# Altium PCB egse_pcb.PcbDoc (part 3 of 3)
Units mm, origin at the board's own origin, x right, y up, seen from the top; angles counter-clockwise.
Board outline 120 x 120 mm, 6 copper layers (Top Layer, GND-1, INT-SIG-1, INT-SIG-2, GND-2, Bottom Layer), stack 1.535 mm thick; 278 components, 151 nets, 1110 pads, 1015 vias.
Unrouted connection lines stored in the file: 164.
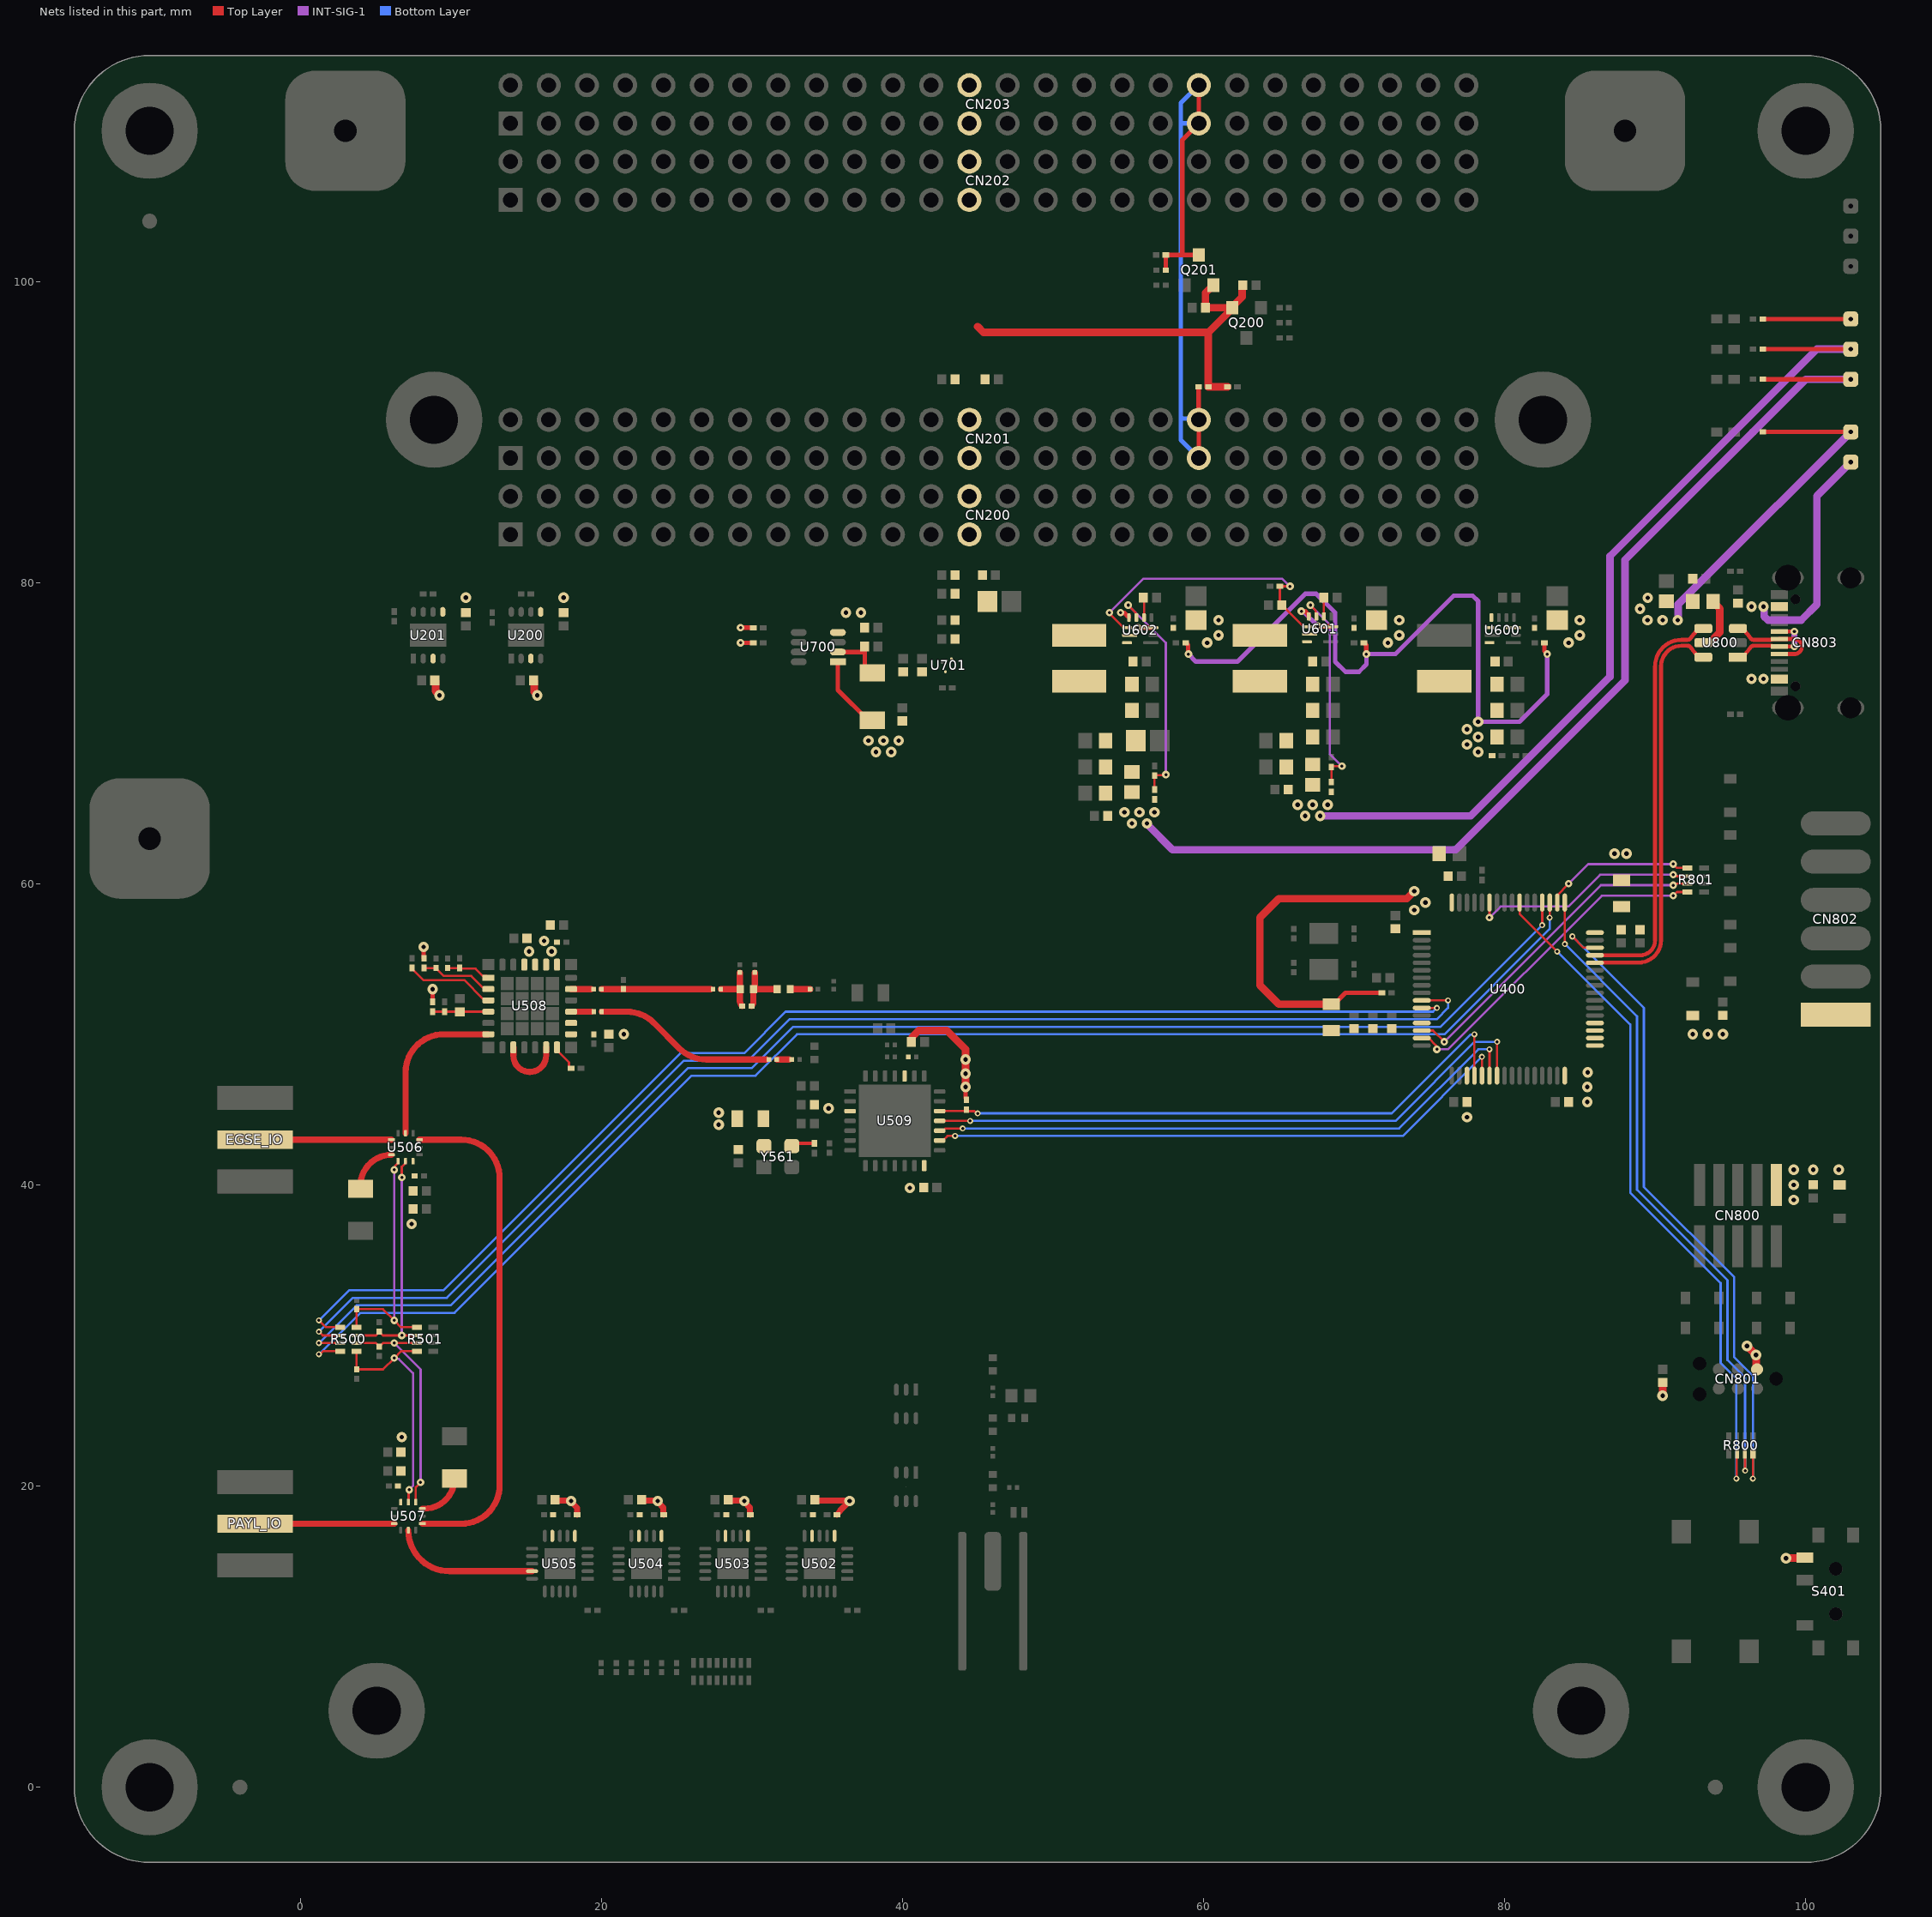
[diagram p7: the nets of this part, all layers, seen from the top]

## Via types
v1: diameter 0.6/0.7/0.7/0.6 (per signal layer), hole 0.3, Top Layer to Bottom Layer, 618 vias
v2: diameter 0.4/0.5/0.5/0.4 (per signal layer), hole 0.2, Top Layer to Bottom Layer, 332 vias
v3: diameter 0.65, hole 0.3, Top Layer to Bottom Layer, 49 vias
v4: diameter 0.7, hole 0.3, Top Layer to Bottom Layer, 16 vias

## Nets (pads, with @x,y where several pads share a name; then routed paths per layer and width w, separated by ;. In a path a pad name is that pad's centre, name@x,y a point inside that pad or via, vN(x,y) a via of type N, cw(c..) or ccw(c..) an arc to the next point about the centre after c; other vN are vias at no path point) (continued)
RBF_5V: C215.2 CN201.37 CN201.38 CN203.37 CN203.38 Q201.3 R202.1 R207.1 | length 47.9
  Top Layer w0.3: C215.2@57.5,100.75 R207.1@57.5,101.75 58.6,101.75 ; R202.1@59.675,93 59.682,92.992 59.682,90.818 CN201.38@59.69,90.81 CN201.37@59.69,88.27 ; CN203.38@59.69,113.03 CN203.37@59.69,110.49 58.6,109.4 58.6,101.75 ; Q201.3@59.71,101.76 Q201.3@59.7,101.75 58.6,101.75
  Bottom Layer w0.3: CN201.37@59.69,88.27 58.5,89.46 58.5,91 ; CN201.38@59.69,90.81 59.616,90.884 58.616,90.884 58.5,91 ; CN203.37@59.69,110.49 58.5,110.49 ; CN203.38@59.69,113.03 58.5,111.84 58.5,110.49 ; 58.5,91 58.5,110.49
RF3V3.FB_11: R605.1 R606.2 U601.9 | length 14.2
  Top Layer w0.15: v2(67.1,78.5) 67.45,78.15 67.45,77.8 U601.9@67.5,77.75 ; R605.1@68.5,66.75 68.5,67.2 R606.2@68.5,67.75 68.55,67.8 v2(69.2,67.8)
  INT-SIG-1 w0.15: v2(67.1,78.5) 68.4,77.2 68.4,68.6 v2(69.2,67.8)
RF3V3.SS_11: C619.2 U601.8 | length 1.3
  Top Layer w0.15: U601.8@68,77.75 C619.2@68,79
RF3V3.SW_11: L601.1 U601.2
RF3V3.VO_11: C612.2 C613.2 C614.2 C615.2 FB600.1 L601.2 U601.3
RF3V9.FB_11: R612.1 R613.2 U602.9 | length 15
  Top Layer w0.15: v2(55,78.5) 55.375,78.125 55.5,78 55.5,77.725 U602.9@55.55,77.675 ; R612.1@56.75,66.25 R613.2@56.75,67.175 56.788,67.212 57.462,67.212 v2(57.5,67.25)
  INT-SIG-1 w0.15: v2(55,78.5) 57.5,76 v2(57.5,67.25)
RF3V9.SS_11: C628.2 U602.8 | length 1.3
  Top Layer w0.15: C628.2@56,79 56.05,78.95 U602.8@56.05,77.675
RF3V9.SW_11: L602.1 U602.2
RF3V9.VO_11: C620.2 C621.2 C622.2 C623.2 FB601.1 L602.2 U602.3
RF_ENABLE_11: C611.2 R603.1 U601.1 U602.1 | length 19
  Top Layer w0.15: v2(53.75,78) 53.75,77.95 54.7,77 U602.1@54.925,77 ; v2(65.75,79.75) R603.1@65.075,79.75 65.075,78.615 C611.2@65.19,78.5 65.19,78.48 65.415,78.255 65.47,78.255 66.65,77.075 U601.1@66.875,77.075
  INT-SIG-1 w0.15: v2(53.75,78) 56,80.25 65.237,80.25 65.737,79.75 v2(65.75,79.75)
RF_IO: U506.11 U508.7 | length 11
  Top Layer w0.408: U506.11@7,43.43 7,47.46 cw(c9.54,47.46) 9.54,50 U508.7@12.5,50
RF_IO_ATT: U505.14 U507.11 | length 9.8
  Top Layer w0.408: U507.11@7.18,17.07 ccw(c9.905,17.07) 9.905,14.345 U505.14@15.405,14.345
RF_RXIN: C532.1 C550.1 | length 12.1
  Top Layer w0.408: C532.1@20.02,51.5 21.698,51.5 cw(c21.698,48.96) 23.494,50.756 25.181,49.069 ccw(c26.977,50.865) 26.977,48.325 C550.1@30.99,48.325
RF_TXIN: C531.1 C543.2 C547.2 | length 7.3
  Top Layer w0.408: C531.1@20.01,53 C547.2@21.47,53 C543.2@27.27,53
RFI1_10: C549.1 C550.2 | length 0.8
  Top Layer w0.408: C550.2@31.66,48.325 C549.1@32.5,48.325
RFO1_10: C542.2 L505.1 | length 1.3
  Top Layer w0.408: L505.1@32.55,53 C542.2@33.87,53
RFO2_10: C545.2 L504.1 L505.2 L506.1 | length 3.8
  Top Layer w0.408: L504.1@29.987,51.874 ccw(c29.689,52.171) 30.11,52.171 L506.1@30.11,53 ; C545.2@30.2,54.1 30.2,53.217 cw(c29.893,53.217) L506.1@30.11,53 ; L505.2@31.67,53 L506.1@30.11,53
RFO3_10: C543.1 C546.2 L504.2 L506.2 | length 3.5
  Top Layer w0.408: C543.1@27.94,53 L506.2@29.2,53 ; C546.2@29.2,54.1 L506.2@29.2,53 ; L504.2@29.367,51.874 cw(c29.77,52.277) 29.2,52.277 L506.2@29.2,53
RFSW.BYP_9: R515.2 U508.4 | length 6
  Top Layer w0.15: R515.2@7.425,54.4 7.425,54.355 8.18,53.6 10.9,53.6 12.14,52.36 12.39,52.36 U508.4@12.5,52.25
RFSW.EN_9: C530.2 R514.1 U508.3 | length 4.9
  Top Layer w0.15: R514.1@8.225,54.4 C530.2@9.025,54.4 9.025,54.375 9.525,53.875 11.375,53.875 12.14,53.11 12.39,53.11 U508.3@12.5,53
RFSW.RBIAS_9: R517.2 U508.14 | length 1.8
  Top Layer w0.15: U508.14@17.062,49.125 17.062,48.925 17.855,48.132 17.855,47.85 17.955,47.75 R517.2@18,47.75
RFSW.RX12_9: U508.10 U508.13 | length 4.5
  Top Layer w0.408: U508.10@14.162,49.125 14.162,48.588 ccw(c15.25,48.588) 15.25,47.5 ccw(c15.25,48.587) 16.337,48.587 U508.13@16.337,49.125
RFSW.RXOUT_9: C532.2 U508.18 | length 1.4
  Top Layer w0.408: U508.18@17.999,51.5 C532.2@19.35,51.5
RFSW.TR_9: C529.2 R513.1 U508.2 | length 3
  Top Layer w0.15: C529.2@9.8,54.4 R513.1@10.6,54.4 10.645,54.355 11.645,54.355 12.125,53.875 12.375,53.875 U508.2@12.5,53.75
RFSW.TXIN_9: C531.2 U508.20 | length 1.3
  Top Layer w0.408: U508.20@17.999,53 C531.2@19.34,53
RFSW.VPC_9: C533.2 R516.1 R518.2 U508.5 | length 3.7
  Top Layer w0.15: R516.1@8.8,51.5 9.8,51.5 C533.2@10.6,51.5 U508.5@12.5,51.5
SPI1.CSN: C548.2 U400.20 U509.19 | length 40.6
  Top Layer w0.15: U509.19@42.475,44.9 C548.2@44.305,44.9 ; C548.2@44.25,45 44.357,44.893 44.789,44.893 44.932,44.75 v2(45,44.75) ; U400.20@78,47.25 v2(78,50)
  Bottom Layer w0.15: v2(45,44.75) 72.5,44.75 77.724,49.974 77.974,49.974 v2(78,50)
SPI1.MISO: U400.22 U509.17 | length 40.5
  Top Layer w0.15: U509.17@42.475,43.6 42.7,43.6 42.85,43.75 v2(44,43.75) ; U400.22@79,47.25 v2(79,49)
  Bottom Layer w0.15: v2(44,43.75) 73,43.75 78.25,49 v2(79,49)
SPI1.MOSI: U400.23 U509.18 | length 41.4
  Top Layer w0.15: U509.18@42.475,44.25 v2(44.5,44.25) ; U400.23@79.5,47.25 v2(79.5,49.5)
  Bottom Layer w0.15: v2(44.5,44.25) 72.75,44.25 78,49.5 v2(79.5,49.5)
SPI1.SCK: U400.21 U509.16 | length 39.6
  Top Layer w0.15: U509.16@42.475,42.95 42.7,42.95 43,43.25 v2(43.5,43.25) ; U400.21@78.5,47.25 v2(78.5,48.5)
  Bottom Layer w0.15: v2(43.5,43.25) 73.25,43.25 v2(78.5,48.5)
SPI2.CSN: U400.33
SPI2.MISO: U400.35
SPI2.MOSI: U400.36
SPI2.SCK: U400.34
SW1.INOUT_8: U506.9 U507.1 | length 33.8
  Top Layer w0.408: U506.9@7.93,43 10.71,43 cw(c10.71,40.46) 13.25,40.46 13.25,20.04 cw(c10.71,20.04) 10.71,17.5 U507.1@8.11,17.5
SW1.LOAD_8: R511.2 U506.3 | length 3.4
  Top Layer w0.408: R511.2@4,39.75 4,39.93 cw(c6.07,39.93) U506.3@6.07,42
SW1.SMA_8: EGSE_IO.1 U506.1 | length 9.1
  Top Layer w0.408: EGSE_IO.1@-3,43 U506.1@6.07,43
SW1_CTRL.V1: R500.1 U400.11 | length 85.4
  Top Layer w0.15: v2(1.25,31) 1.7,30.55 R500.1@2.65,30.55 ; U400.11@74.5,51.75 v2(75.5,51.75)
  Bottom Layer w0.15: v2(1.25,31) 3.25,33 9.5,33 25.25,48.75 29.5,48.75 32.25,51.5 75.25,51.5 v2(75.5,51.75)
SW1_CTRL.V2: R500.2 U400.10 | length 87.7
  Top Layer w0.15: v2(1.25,30.25) 1.5,30 R500.2@2.65,30 ; U400.10@74.5,52.25 v2(76.25,52.25)
  Bottom Layer w0.15: v2(1.25,30.25) 3.5,32.5 9.75,32.5 25.5,48.25 29.75,48.25 32.5,51 75.5,51 76.25,51.75 v2(76.25,52.25)
SW1_CTRL_F.V1_6: C503.2 R500.8 R501.1 U506.4 | length 16.4
  Top Layer w0.15: R500.8@3.75,30.55 C503.2@3.75,31.75 5.5,31.75 v2(6.25,31) ; v2@6.25,30.991 6.691,30.55 R501.1@7.75,30.55 ; v2(6.25,41) 6.298,41.048 6.298,41.248 6.5,41.45 U506.4@6.5,41.57
  INT-SIG-1 w0.15: v2(6.25,31) v2(6.25,41)
SW1_CTRL_F.V2_6: C502.2 R500.7 R501.2 U506.5 | length 15.9
  Top Layer w0.15: R500.7@3.75,30 5.025,30 C502.2@5.25,30.225 ; C502.2@5.25,30.25 C502.2@5.25,30.225 ; v2(6.75,40.5) 6.75,41.2 7,41.45 U506.5@7,41.57 ; R501.2@7.75,30 5.5,30 5.375,30.125 5.35,30.125 C502.2@5.25,30.225
  INT-SIG-1 w0.15: v2(6.75,30) v2(6.75,40.5)
SW2.LOAD_8: R512.2 U507.3 | length 3.3
  Top Layer w0.408: U507.3@8.11,18.5 8.25,18.5 ccw(c8.25,20.5) R512.2@10.25,20.5
SW2.SMA_8: PAYL_IO.1 U507.9 | length 9.2
  Top Layer w0.408: PAYL_IO.1@-3,17.5 U507.9@6.25,17.5
SW2_CTRL.V1: R500.3 U400.52 | length 95.6
  Top Layer w0.15: v2(1.25,29.5) R500.3@2.65,29.5 ; v2(82.5,57.25) U400.52@82.5,58.75
  Bottom Layer w0.15: v2(1.25,29.5) 3.75,32 10,32 25.75,47.75 30,47.75 32.75,50.5 75.75,50.5 v2(82.5,57.25)
SW2_CTRL.V2: R500.4 U400.51 | length 96.7
  Top Layer w0.15: v2(1.25,28.75) 1.318,28.75 1.518,28.95 R500.4@2.65,28.95 ; v2(83,57.75) U400.51@83,58.75
  Bottom Layer w0.15: v2(1.25,28.75) 4,31.5 10.25,31.5 26,47.25 30.25,47.25 33,50 76,50 83,57 v2(83,57.75)
SW2_CTRL_F.V1_6: C501.2 R500.6 R501.3 U507.4 | length 15.6
  Top Layer w0.15: R500.6@3.75,29.5 5.025,29.5 C501.2@5.25,29.275 ; C501.2@5.25,29.25 C501.2@5.25,29.275 ; U507.4@7.68,18.93 7.68,19.93 v2(8,20.25) ; R501.3@7.75,29.5 v2(6.25,29.5) 5.5,29.5 5.375,29.375 5.35,29.375 C501.2@5.25,29.275
  INT-SIG-1 w0.15: v2(6.25,29.5) 8,27.75 v2(8,20.25)
SW2_CTRL_F.V2_6: C500.2 R500.5 R501.4 U507.5 | length 16.1
  Top Layer w0.15: R500.5@3.75,28.95 C500.2@3.75,27.75 5.5,27.75 v2(6.25,28.5) 6.7,28.95 R501.4@7.75,28.95 ; U507.5@7.18,18.93 7.205,18.955 7.205,19.705 v2(7.25,19.75)
  INT-SIG-1 w0.15: v2(6.25,28.5) 6.311,28.439 6.561,28.439 7.5,27.5 7.5,20.013 7.25,19.763 v2(7.25,19.75)
SWD.SWCLK: R800.7 U400.49 | length 43.8
  Top Layer w0.15: v2(84,56) 84,56.44 U400.49@84,58.742 ; R800.7@95.95,22.15 95.975,22.125 v2(95.975,21.025)
  Bottom Layer w0.15: v2(84,56) 88.8,51.2 88.8,39.677 94.805,33.673 94.805,28.368 95.975,27.198 v2(95.975,21.025)
SWD.SWDIO: R800.8 U400.46 | length 44.4
  Top Layer w0.15: v2(84.5,56.5) 85.25,55.75 U400.46@86,55.75 ; v2(96.5,20.5) R800.8@96.5,22.15
  Bottom Layer w0.15: v2(84.5,56.5) 89.25,51.75 89.25,39.864 95.255,33.859 95.255,28.555 96.5,27.309 v2(96.5,20.5)
SWD.SWO: R800.6 U400.55 | length 45.9
  Top Layer w0.15: U400.55@81,58.75 81,58 v2(83.5,55.5) ; v2(95.4,20.5) 95.425,20.525 95.425,22.125 R800.6@95.45,22.15
  Bottom Layer w0.15: v2(83.5,55.5) 88.35,50.65 88.35,39.491 94.355,33.486 94.355,28.182 95.4,27.136 v2(95.4,20.5)
TCXO.OUT_10: C540.1 Y561.3 | length 1.5
  Top Layer w0.25: Y561.3@32.66,42.575 cw(c33.095,42.14) 33.095,42.755 C540.1@34.16,42.755
UART4.CTS: R801.6 U400.59 | length 15.4
  Top Layer w0.15: v2(79,57.75) U400.59@79,58.75 ; v2(91.2,60.6) 91.3,60.5 R801.6@92.15,60.5
  INT-SIG-1 w0.15: v2(79,57.75) 79.737,58.487 84.237,58.487 86.35,60.6 v2(91.2,60.6)
UART4.RTS: R801.5 U400.50 | length 10.1
  Top Layer w0.15: U400.50@83.5,58.75 83.5,59.225 84.25,59.975 v2(84.25,60) ; v2(91.2,61.3) 91.45,61.05 R801.5@92.15,61.05
  INT-SIG-1 w0.15: v2(84.25,60) 85.55,61.3 v2(91.2,61.3)
UART4.RX: R801.8 U400.15 | length 22.4
  Top Layer w0.15: U400.15@74.5,49.75 74.95,49.75 75.452,49.248 75.452,49.048 v2(75.5,49) ; v2(91.2,59.2) 91.45,59.45 R801.8@92.15,59.45
  INT-SIG-1 w0.15: v2(75.5,49) 76.25,49 86.45,59.2 v2(91.2,59.2)
UART4.TX: R801.7 U400.14 | length 22.3
  Top Layer w0.15: U400.14@74.5,50.25 75.25,50.25 v2(76,49.5) ; v2(91.2,59.9) 91.3,60 R801.7@92.15,60
  INT-SIG-1 w0.15: v2(76,49.5) 86.4,59.9 v2(91.2,59.9)
USB.D_N: U400.44 U800.6 | length 27.3
  Top Layer w0.269: U400.44@86,54.75 88.912,54.766 ccw(c88.911,56.25) 90.396,56.25 90.396,74.448 cw(c91.75,74.448) 91.75,75.802 92.149,75.802 ccw(c92.15,76.198) 92.15,75.802 cw(c92.15,75.533) 92.388,75.659 ccw(c92.75,75.85) 92.432,75.592 92.75,75.2 U800.6@93.2,75.05
USB.D_P: U400.45 U800.4 | length 27.3
  Top Layer w0.269: U400.45@86,55.25 89.002,55.25 ccw(c89,56.25) 90,56.25 90,74.448 cw(c91.75,74.448) 91.75,76.198 92.15,76.198 ccw(c92.15,76.467) 92.388,76.341 cw(c92.75,76.15) 92.432,76.408 92.75,76.8 U800.4@93.2,76.95
USBC.D_4_N: CN803.A7 CN803.B7 U800.3 | length 6.6
  Top Layer w0.269: U800.3@95.5,76.95 95.95,76.8 96.268,76.408 cw(c95.95,76.15) 96.312,76.342 ccw(c96.549,76.468) 96.549,76.199 ; 96.55,76.199 cw(c96.55,75.803) 96.552,76.199 97.668,76.198 ; 97.669,76.198 ccw(c97.669,76.467) 97.804,76.234 CN803.A7@98.245,76.25 99.25,76.25 cw(c99.25,75.75) 99.75,75.75 cw(c99.25,75.75) 99.25,75.25 CN803.B7@98.245,75.25
USBC.D_4_P: CN803.A6 CN803.B6 U800.1 | length 6.1
  Top Layer w0.269: U800.1@95.5,75.05 95.966,75.216 96.269,75.594 ccw(c95.95,75.85) 96.312,75.659 cw(c96.55,75.534) 96.55,75.803 97.669,75.802 ; 97.669,75.802 cw(c97.669,75.533) CN803.A6@97.804,75.766 ; CN803.A6@97.804,75.766 CN803.A6@98.245,75.75 v2(99.25,75.75) ; CN803.B6@98.245,76.75 v2(99.25,76.75)
  INT-SIG-1 w0.381: v2(99.25,75.75) v2(99.25,76.75)
VBUS_USB: C803.2 CN803.A4-B9 CN803.B4-A9 FB800.1 U800.5 VUSB.0 | length 18.7
  Top Layer w0.5: U800.5@93.2,76 93.25,76.05 93.642,76.05 94.3,76.708 94.3,78.25 93.85,78.7 FB800.1@93.85,78.75
  INT-SIG-1 w0.5: v1(97.2,78.4) 97.238,78.362 97.238,77.755 97.493,77.5 99.707,77.5 100.75,78.543 100.75,85.75 VUSB.0@103,88
  other v1: 96.4,73.6 97.2,73.6 96.4,78.4
VCC_3V3: 3V3D.0 C209.2 C210.2 C211.2 C212.2 C408.2 C409.2 C410.2 C411.2 C412.2 C603.2 C604.2 C605.2 C606.2 C700.2 C800.2 C801.2 C802.2 CN800.1 CN801.1 CN802.1 D800.2 D805.2 L400.1 L401.1 L600.2 R400.2 R600.2 R601.2 R604.2 R607.2 R611.2 R700.2 R701.2 S401.3 U200.3 U200.5 U201.3 U201.5 U400.1 U400.19 U400.32 U400.64 U600.3 U700.4 | length 84.7
  Top Layer w0.3: v2(29.25,76) R701.2@30.1,76 ; v2(29.25,77) R700.2@30.1,77 ; R611.2@58.825,76 58.87,76 58.895,75.975 58.895,75.93 58.981,75.844 58.981,75.269 v2(59,75.25) ; L400.1@68.5,52 68.685,52 69.435,52.75 R400.2@71.85,52.75 ; R604.2@70.65,76 70.695,76 70.72,75.975 70.72,75.93 70.806,75.844 70.806,75.269 v2(70.825,75.25) ; R600.2@82.65,76 82.65,75.452 82.825,75.277 v2(82.825,75.25) ; R607.2@97.15,97.5 3V3D.0@103,97.5
  Top Layer w0.5: C212.2@8.94,73.5 8.99,73.45 8.99,72.787 9.25,72.527 v1(9.25,72.5) ; C209.2@15.5,73.5 15.55,73.45 15.55,72.727 15.75,72.527 v1(15.75,72.5) ; L400.1@68.5,52 65,52 63.75,53.25 63.75,57.75 65,59 73.5,59 v1(74,59.5) ; v1(90.5,26) C800.2@90.5,26.87 ; v1(96.1,29.3) v1(96.7,28.7) 96.719,28.681 96.719,27.801 CN801.1@96.77,27.75 ; v1(98.7,15.2) 98.719,15.219 99.919,15.219 S401.3@99.95,15.25
  INT-SIG-1 w0.3: v2(59,75.25) 59.5,74.75 62.25,74.75 66.75,79.25 67.5,79.25 68.75,78 68.75,74.75 69.425,74.075 70.325,74.075 70.825,74.575 v2(70.825,75.25) 72.75,75.25 76.626,79.126 77.874,79.126 78.25,78.75 v1(78.25,70.75) 81,70.75 82.825,72.575 v2(82.825,75.25)
  other v1: 99.2,39 99.2,40 99.2,41 100.5,41 102.2,41 77.5,44.5 85.5,45.5 85.5,46.5 85.525,47.475 92.5,50 93.5,50 94.5,50 74,58.25 74.75,58.75 87.3,62 88.1,62 78.25,68.75 77.5,69.25 78.25,69.75 77.5,70.25 36.25,78 37.25,78 11,79 17.5,79
VCC_3V3_USB: C406.2 C407.2 L401.2 U400.48
VCC_BUS_5V_CTRL: C702.2 C703.2 C704.2 R702.1 U700.2 U701.3 | length 3.8
  Top Layer w0.3: U700.2@35.715,75.385 37.455,75.385 37.5,75.43 C702.2@37.5,75.75 ; 37.5,75.385 37.5,74.425 37.925,74 R702.1@38,74
VCC_RF_3V3: 3V3RF.0 C515.2 C516.2 C517.2 C518.2 C519.2 C520.2 C521.2 C522.2 C523.2 C524.2 C525.2 C526.2 C527.2 C528.2 C534.2 C535.2 C548.1 C557.2 C558.2 C559.2 C560.2 C616.2 C617.2 C618.2 FB600.2 L508.1 R507.2 R508.2 R509.2 R510.2 R514.2 R605.2 R608.2 U502.6 U502.9 U503.6 U503.9 U504.6 U504.9 U505.6 U505.9 U506.6 U507.6 U508.16 U508.17 U509.3 U509.14 U509.24 | length 77.5
  Top Layer w0.3: v1(8.2,55.8) 8.2,55.075 R514.2@8.225,55.05 ; v1(44.2,46.5) 44.2,45.795 44.225,45.77 44.225,45.675 C548.1@44.25,45.65 ; R608.2@97.15,95.5 3V3RF.0@103,95.5
  Top Layer w0.4: C522.2@16.94,19.095 16.997,19.038 17.962,19.038 v1(18,19) 18,18.946 18.4,18.546 R510.2@18.4,18.095 ; C520.2@22.69,19.095 22.747,19.038 23.712,19.038 v1(23.75,19) 23.75,18.946 24.13,18.566 24.13,18.115 R509.2@24.15,18.095 ; C518.2@28.44,19.095 28.497,19.038 29.462,19.038 v1(29.5,19) 29.5,18.946 29.88,18.566 29.88,18.115 R508.2@29.9,18.095 ; C516.2@34.19,19.095 34.247,19.038 36.462,19.038 v1(36.5,19) 35.864,18.364 35.864,18.314 35.65,18.1 R507.2@35.65,18.095
  Top Layer w0.5: C559.2@40.6,49.5 40.65,49.55 40.65,49.82 41.08,50.25 42.955,50.25 44.2,49.005 v1(44.2,48.331) v1(44.2,47.389) v1(44.2,46.5)
  INT-SIG-1 w0.5: v1(67.75,64.5) 77.75,64.5 87,73.75 87,81.75 100.75,95.5 3V3RF.0@103,95.5
  other v1: 6.75,23.25 7.4,37.4 40.5,39.8 27.8,44 27.8,44.8 35.098,45.082 21.5,50 66.75,64.5 66.25,65.25 67.25,65.25 68.25,65.25
VCC_RF_3V9: 3V9RF.0 C536.2 C537.2 C538.2 C624.2 C625.2 C626.2 C627.2 FB601.2 R516.2 R609.2 R612.2 U508.23 U508.24 U508.25 U508.26 | length 71.8
  Top Layer w0.3: R516.2@8.8,52.15 v1(8.8,53) ; R609.2@97.15,93.5 3V9RF.0@103,93.5
  INT-SIG-1 w0.5: v1(56.25,64) 56.25,63.946 57.946,62.25 76.75,62.25 88,73.5 88,81.5 100,93.5 3V9RF.0@103,93.5
  other v1: 15.2,55.5 16.7,55.5 16.2,56.2 55.25,64 54.75,64.75 55.75,64.75 56.75,64.75
VCC_SAT_5V: C203.2 C204.2 C205.2 C206.2 C207.2 C208.2 C213.2 C214.2 C705.2 C706.2 CN200.25 CN200.26 CN201.25 CN201.26 CN202.25 CN202.26 CN203.25 CN203.26 Q200.2 Q201.2 R202.2 R203.2 U701.1 | length 27.9
  Top Layer w0.5: 45,97 45.385,96.615 60.325,96.615 ; Q201.2@60.65,99.75 60.65,99.7 60.5,99.55 60.45,99.55 60.13,99.23 C214.2@60.13,98.25 61.86,98.25 61.91,98.2 60.325,96.615 ; R203.2@61.6,93 R202.2@60.325,93 60.325,96.615 ; Q200.2@61.91,98.3 62.57,98.96 62.57,99.7 C213.2@62.62,99.75
VCC_USB_5V: 5V.0 C600.2 C601.2 C602.2 C607.2 C608.2 C609.2 C701.2 C804.2 C805.2 FB800.2 R610.2 R702.2 U600.1 U600.6 U600.10 U601.6 U601.10 U602.6 U602.10 U700.1 | length 32.8
  Top Layer w0.3: U700.1@35.715,74.735 35.715,72.86 37.725,70.85 R702.2@38,70.85 ; v2(54.5,78) 54.519,77.981 54.744,77.981 54.925,77.8 55.025,77.8 55.05,77.775 U602.10@55.05,77.675 ; v2(55.642,77.002) U602.6@56.499,77.001 ; v2(66.5,78.1) 66.519,78.081 66.769,78.081 67,77.85 U601.10@67,77.75 ; v2(67.6,77.1) 67.613,77.087 68.437,77.087 U601.6@68.45,77.075 ; R610.2@97.15,90 5V.0@103,90
  INT-SIG-1 w0.3: v2(66.5,78.1) 66.538,78.062 66.638,78.062 v2(67.6,77.1)
  INT-SIG-1 w0.5: v1(91.5,77.5) 91.538,77.538 91.538,78.564 98.125,85.15 98.15,85.15 5V.0@103,90
  other v1: 38.25,68.75 39.25,68.75 37.75,69.5 38.75,69.5 39.75,69.5 60.25,76 72.25,76 84.25,76 61,76.5 73,76.5 85,76.5 61,77.5 73,77.5 85,77.5 89.5,77.5 90.5,77.5 89,78.25 89.513,78.987
VDDA_3V3: C403.2 C404.2 C405.2 L400.2 U400.13
Y_VCC_10: C551.2 L508.2 Y561.4
pads on no net: CN200.2 CN200.4 CN200.5 CN200.6 CN200.7 CN200.8 CN200.9 CN200.10 CN200.11 CN200.12 CN200.13 CN200.14 CN200.15 CN200.16 CN200.17 CN200.18 CN200.19 CN200.20 CN200.21 CN200.22 CN200.23 CN200.24 CN200.27 CN200.28 CN200.29 CN200.30 CN200.31 CN200.32 CN200.35 CN200.36 CN200.37 CN200.38 CN200.39 CN200.40 CN200.41 CN200.42 CN200.43 CN200.44 CN200.45 CN200.46 CN200.47 CN200.48 CN200.49 CN200.50 CN200.51 CN200.52 CN201.2 CN201.4 CN201.5 CN201.6 CN201.7 CN201.8 CN201.9 CN201.10 CN201.11 CN201.12 CN201.13 CN201.14 CN201.15 CN201.16 CN201.17 CN201.18 CN201.19 CN201.20 CN201.21 CN201.22 CN201.23 CN201.24 CN201.27 CN201.28 CN201.33 CN201.34 CN201.35 CN201.36 CN201.45 CN201.46 CN201.47 CN201.48 CN201.49 CN201.50 CN201.51 CN201.52 CN202.2 CN202.4 CN202.5 CN202.6 CN202.7 CN202.8 CN202.9 CN202.10 CN202.11 CN202.12 CN202.13 CN202.14 CN202.15 CN202.16 CN202.17 CN202.18 CN202.19 CN202.20 CN202.21 CN202.22 CN202.23 CN202.24 CN202.27 CN202.28 CN202.29 CN202.30 CN202.31 CN202.32 CN202.35 CN202.36 CN202.37 CN202.38 CN202.39 CN202.40 CN202.41 CN202.42 CN202.43 CN202.44 CN202.45 CN202.46 CN202.47 CN202.48 CN202.49 CN202.50 CN202.51 CN202.52 CN203.2 CN203.4 CN203.5 CN203.6 CN203.7 CN203.8 CN203.9 CN203.10 CN203.11 CN203.12 CN203.13 CN203.14 CN203.15 CN203.16 CN203.17 CN203.18 CN203.19 CN203.20 CN203.21 CN203.22 CN203.23 CN203.24 CN203.27 CN203.28 CN203.33 CN203.34 CN203.35 CN203.36 CN203.45 CN203.46 CN203.47 CN203.48 CN203.49 CN203.50 CN203.51 CN203.52 CN800.7 CN800.8 CN801. CN803. CN803.A8 CN803.B8 CN803.S EGSE_IO.4 EGSE_IO.5 FID100.0 FID101.0 FID102.0 MH100.1 MH101.1 MH102.1 MH103.1 MH104.1 MH105.1 MH106.1 MH107.1 PAYL_IO.4 PAYL_IO.5 S401.M S401.MH U400.5 U400.6 U400.24 U400.54 U502.3 U502.5 U502.8 U503.3 U503.5 U503.8 U504.3 U504.5 U504.8 U505.3 U505.5 U505.8 U509.6 U509.8 U509.9 U509.10 U509.11 U509.12 U509.13 U509.21 U509.22 U509.27 U700.8